# Altium PCB SI944D.PcbDoc (part 2 of 5) (continued)
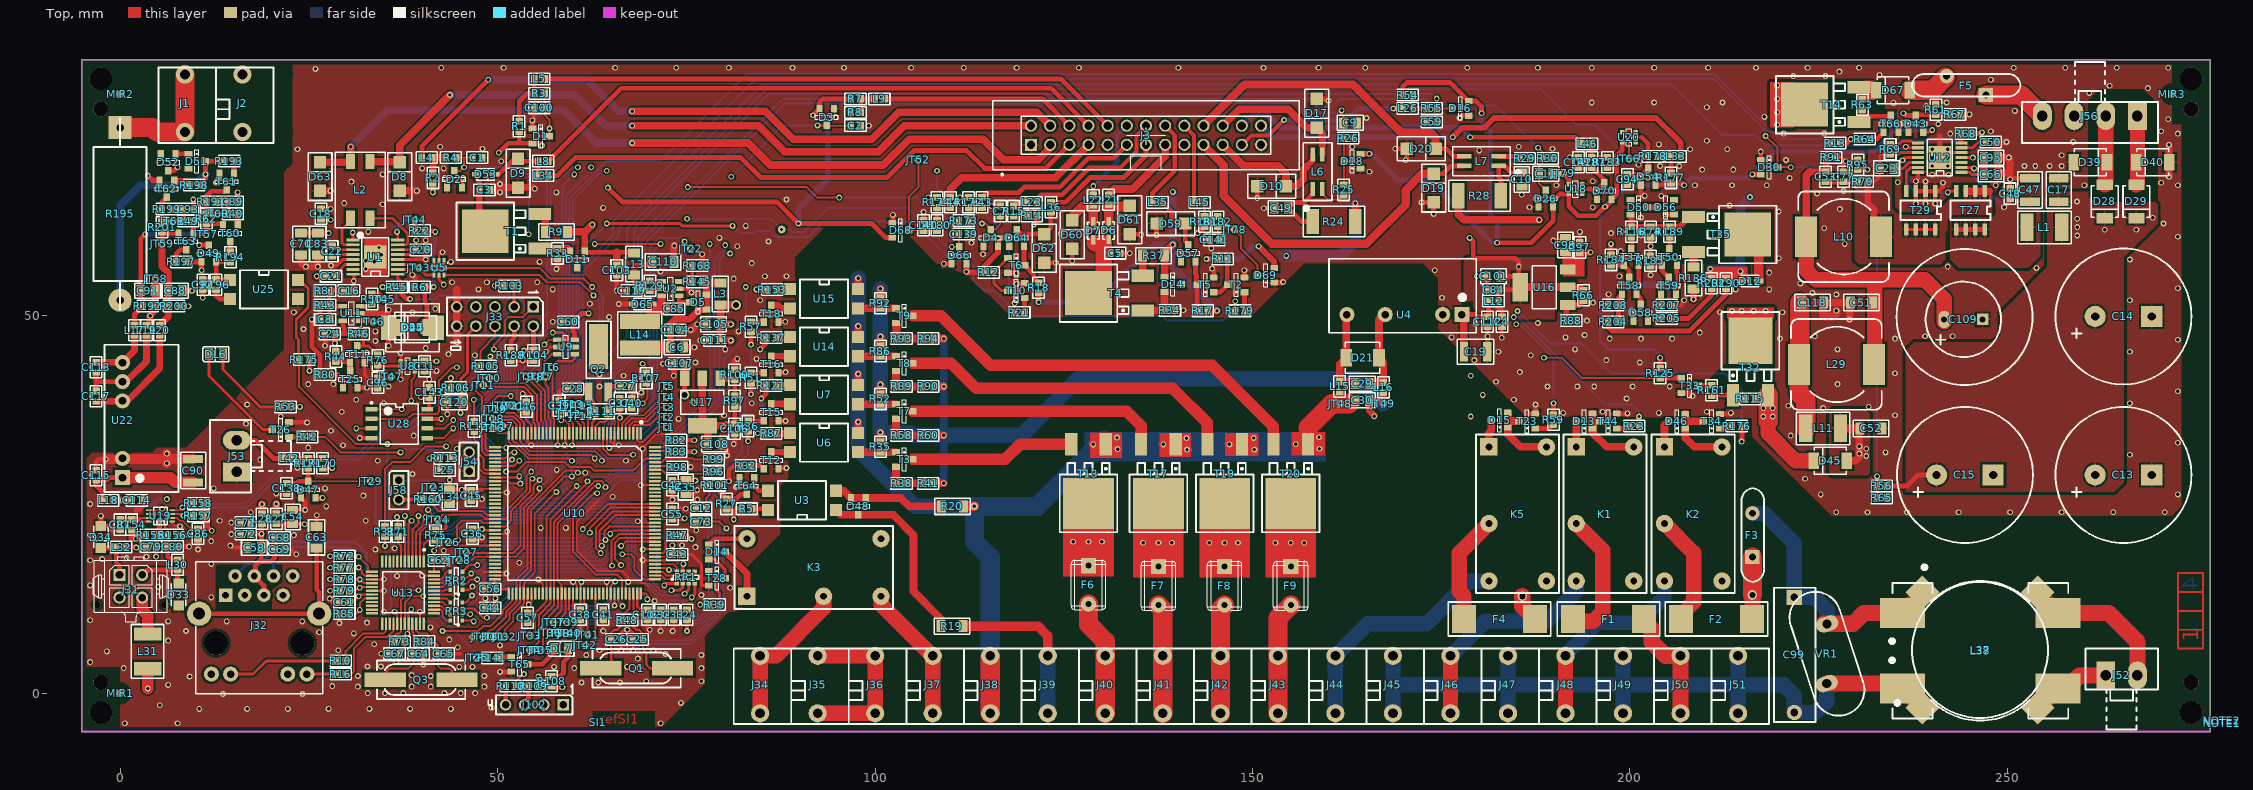
[diagram p0: Top view]
## Footprints (in the part's own frame and the unit in brackets; to place one, negate y for a bottom-side part, rotate by r counter-clockwise, add the part's x,y. Pads: shape width x height; smd on the part's side, far side on the other; paste and mask are expansions set on the pad) (continued)
  rect 3.7x2.5 hole 1.4: 1(-0.85,6.3)
  rrect100% 3.7x2.5 hole 1.4: 2(-0.85,2.1)
  oval 3.7x2.5 hole 1.4: 3(-0.85,-2.1) 4(-0.85,-6.3)
  silkscreen extent -8,-9 2.7,9, body extent -4.39,-9 2.51,9, height 12.82

## Part data
C1 C2 C3 C4 C5 C7 C18 C20 C21 C22 C24 C31 C32 C33 C36 C37 C38 C39 C40 C41 C42 C43 C44 C45 C46 C48 C50 C55 C56 C57 C59 C60 C61 C62 C67 C68 C69 C71 C72 C84 C86 C87 C97 C100 C103 C104 C106 C107 C111 C112 C113 C114 C115 C117 C119 C138 C139 C140 C141 C143: "Condensateur céramique, X7R, 10%, CMS 0603, 100nF/50V"
C6 C34 C35 C54 C58 C101 C105: "Condensateur céramique, X5R, 10%, CMS 0805, 10uF/16V"
C8 C92: "Condensateur, CMS 0603, NC"
C9 C10 C11 C23 C49: "Condensateur céramique, X7R, 10%, CMS 0805, 470nF/50V"
C12 C73 C85 C94 C102 C142: "Condensateur céramique, X7R, 10%, CMS 0603"
C13 C14 C15: "Condensateurs électrolytiques aluminium traversant 35volts 3900uF 105c 18x40 P7.5"
C16 C53 C77 C96: "Condensateur céramique, NPO, 5%, CMS 0603"
C17 C19 C47 C90: "Condensateur céramique, X5R, 10%, CMS 1210"
C25 C26 C27 C28 C64 C65 C79 C80: "Condensateur céramique, NPO, 5%, CMS 0603, 18pF/50V"
C29 C30 C66 C88 C91 C95 C98 C108 C120: "Condensateur céramique, X5R, 10%, CMS 0805"
C51 C52 C70 C83 C110 C118: "Condensateur céramique, X5R, 20%, CMS 1206, 22uF/25V"
C63: "Condensateur céramique, X7R, 10%, CMS 1206"
C89 C93: "Condensateur céramique, X7R, 10%, CMS 0603, 4,7nF/50V"
C99: "Condensateur polypropylene métallisé X2, 20%,100nF/275Vac,-40/+110°C, radial"
C109: "Condensateur Electro, ultra Low ESR (31mR@100kHz), +/-20%, 7000h, 1.9ARms, -40/+105°C"
D1 D2 D3 D4 D16 D18 D26 D30 D43 D47 D54 D66 D68 D69 D70: "Diode Schottky double, BAT54 en série, Vrrm=30V, If=200mA, Vf=0.4Vmax, CMS"
D5 D13 D14 D15 D46 D48 D56 D57 D64: "Diode Schottky double, BAT54 cathode com, Vrrm=30V, If=300mA, Vf=0.4Vmax, CMS"
D6 D7 D12 D53 D65: "Diode Schottky, Vrrm=20V, If=2A, Vf=0.45V, CMS"
D8 D9 D10 D17 D19 D20 D59 D60 D61 D62 D63: "Diode Transil/TVS unidirectionnelle (A), Transzorb, 400W, 16V, CMS"
D11 D24 D49 D50: "Diode de Redressement double, en série, Vrrm=100V, If=200mA, Vf=1V, rapide (trr=4ns), CMS"
D21: "Diode Transil/TVS bidirectionnelle (CA), 600W, 16V, CMS, serie SMBJ"
D27: "Diode Schottky, Vrrm=40V, If=1A, Vf=0.55V@1A, CMS"
D28 D29 D39 D40 D45 D67: "Diode Schottky, Vrrm=30V, If=5A(aver), Vf=0.315V, CMS"
D33 D34: "Diode Transil/TVS unidirectionnelle (A), 200W, 5V, CMS"
D44: "Diode Schottky, Vrrm=60V, If=3A, Vf=0.74V, -65 à +175°C, CMS"
D51 D52: "Diode Zener, série BZX84C, 0.3W, +/-5%, 4.7V, CMS"
D55: "Diode Schottky, Vrrm=30V, If=2A, Vf=0.5V, -65 à +125°C, CMS"
D58: "Diode Zener, série BZX84A, 0.3W, +/-5%, 6.2V, CMS"
DL6: "LED CMS 0805, Jaune, Vf 2V@20mA (36-100mCd), 590nm, vue 120°"
DL7: "LED CMS 0805, Vert, Vf 2.5V@20mA (4-15mCd), 525nm, vue 120°"
F1 F2 F4: "Fusible CMS, série UMT250, à souder sur CI, 250Vca/125Vdc, 0.315A, Temporisé"
F3: "Fusible Polyswitch série LVR, Vmax=265Vac, Ihold=0.25A, Itrip=0.56A, 1.5W"
F5: "Fusible Polyswitch, 30Vcc, Ihold=4A, Itrip=8A"
F6 F7 F8 F9: library part MF-RX012/250-0, "Resettable Fuses - PPTC 0.12A 60V 4ohm Hold .12 Trip .16"
J1 J34 J35 J36 J37 J38 J39 J40 J41 J42 J43 J44 J45 J46 J47 J48 J49 J50: "Bornier à connexion par ressorts/déconnexion par levier, série FFKDSA/V2, e7.62, 1x1pts, droit, juxtaposable, 500V/17.5A, AWG22~16, Vert/Orange"
J2 J51: "Bornier à connexion par ressorts/déconnexion par levier, série FFKDSA1/V2, e7.62, 1x1pts, droit, juxtaposable, 500V/17.5A, AWG22~16, Vert/Orange"
J3: library part "Header 13X2", "26 Positions Header, Shrouded Connector 0.100\" (2.54mm) Through Hole Gold"
J31: "Embase type Micro Mate-n-Lok, e3mm, 4pts, droit, cont. étamés 20mR, 250V/5A, Iso 1500V, -40/+105°C"
J32: "Embase RJ45 avec transformateur, 8/8 contacts + Led verte et jaune, blindée, droit, Viso 1.5kV"
J33: "Barrette, e2.54, mâle, 2x5 picots 0.635², droit, long. contact 6, isol. 2.6mm, doré"
J52 J53: "Connecteur Wurth, pas 4.2mm, 1x2 picots, 9A, 600V"
J54 J58: "Barrette, e2.54, mâle, 1x2 picots 0.635², droit, long. contact 6, isol. 2.6mm, doré"
J56: "Connecteur Wurth, pas 4.2mm, 1x4 picots, 8A"
J102: "Barrette, e2.54, mâle, 1x4 picots 0.635², droit, long. contact 6, isol. 2.6mm, doré"
JC2: "Cavalier (Jumper) doré 2 points pour barrette au pas de 2.54mm, BLEU, avec languette, Hauteur globale 14mm, 3A, 250V"
JT1 JT2 JT3 JT4 JT5 JT6 JT7 JT8 JT9 JT10 JT11 JT12 JT13 JT14 JT15 JT16 JT17 JT18 JT19 JT20 JT21 JT22 JT23 JT24 JT25 JT26 JT27 JT28 JT29 JT30 JT31 JT32 JT33 JT34 JT35 JT36 JT37 JT38 JT39 JT40 JT41 JT42 JT43 JT44 JT45 JT46 JT47 JT48 JT49 JT52 JT53 JT57 JT58 JT59 JT60 JT61 JT66 JT78 JT79: "Point de test sur CI, pad de diamètre 1.016mm (40mils)"
K1 K2 K3 K5: "Relais 1RT, 12Vdc, série 32.21, Rc=720R, Sw:250Vac/6A, Ron=? (AgCdO)"
L1 L11 L31: "Inductance à ferrite multicouches CMS, imp=100R@>100MHz, +/-25%, Rdc=6mR, I=8A"
L2: "Filtre double ferrite, 2x10uH, 42Vac/80Vdc, 1.6A, serie WE-SL2, -40/+125°C, CMS"
L3 L13: "Inductance à ferrite multicouches CMS, imp=600R@100MHz, +/-25%, Rdc=100mR, I=2A"
L4 L5 L8 L9 L12 L15 L16 L17 L18 L19 L20 L21 L22 L23 L24 L25 L26 L27 L28 L30 L32 L33 L34 L35 L36 L42 L43 L44 L45 L46: "Inductance à ferrite multicouches CMS, imp=700R@250MHz, +/-25%, Rdc=350mR, I=400mA"
L6 L7: "Filtre double ferrite, 2x22uH, 42Vac/80Vdc, 300mA, serie WE-SLM, -40/+125°C, CMS"
L10 L29: "Inductance bobinée CMS, 15uH +/- 20%, I=6.5A, Rdc=0.026R, SRF=17MHz, -40/+85°C"
L14: "Inductance bobinée CMS, 10uH +/- 10%, I=1.19A, Rdc=0.095R, SRF=40MHz, -40/+85°C"
L37: "Filtre double ferrite, 2x20mH, 250Vac, 1A, serie PM3700, -55/+125°C, CMS"
L38: "Filtre double ferrite, 2x10mH, 250Vac, 400mA, serie WE-LF-SH, -25/+125°C, CMS"
MIR1 MIR2 MIR3: "Mire pour machine de placement CMS \"Pick'n Place\""
NOTE1: "Coucher F5 pour limiter la hauteur"
NOTE2: "Incliner VR1 pour limiter la hauteur"
NOTE3: "Coucher F3 pour limiter la hauteur"
Q1 Q3: "Quartz CMS série HCM49 (équiv HC49/US), -10/+60°C, +/-30ppm, 18pF"
Q2: "Quartz CMS type Montre (cylindrique 2x6mm), -40/+85°C, +/-20ppm, 7pF, 32.768KHz"
R1 R2 R7 R14 R33 R34 R40 R49 R54 R170 R172 R174 R177 R181 R183: "Résistance, 0.100W, 1%, 100ppm, 75V, 2.2K"
R3 R4 R8 R11 R12 R13 R15 R17 R21 R23 R32 R36 R39 R51 R55 R57 R59 R71 R74 R101 R157 R158 R171 R173 R176 R178 R179 R180 R182 R187 R194 R197 R205: "Résistance, 0.100W, 1%, 100ppm, 75V, 4.7K"
R5 R38 R41 R44 R58 R60 R80 R88 R89 R90 R93 R94 R97 R155 R156 R160 R161 R175 R193 R198: "Résistance, 0.100W, 1%, 100ppm, 75V, 1K"
R6 R66: "Résistance, 0.100W, 1%, 100ppm, 75V, 115R"
R9: "Résistance, 0.25W, 1%, 200ppm, 200V, 3.3R"
R10 R16 R27 R53 R87 R108 R121 R137 R153: "Résistance, 0.100W, 1%, 100ppm, 75V, 680R"
R18 R35 R42 R45 R50 R52 R81 R82 R83 R86 R92 R96 R98 R99 R103 R104 R105 R106 R107 R113 R115 R129 R141 R188 R192 R200: "Résistance, 0.100W, 1%, 100ppm, 75V, 10K"
R19 R20: "Résistance, 0.25W, 1%, 100ppm, 200V, 220K"
R22 R204: "Résistance, 0.100W, 1%, 100ppm, 75V, 0R"
R24 R28: "Résistance, 1W, 5%, 200ppm, 500V, 200R"
R25 R26 R29 R30: "Résistance, 0.100W, 1%, 100ppm, 75V, 150R"
R31 R72 R76 R77 R78 R79 R191 R199: "Résistance, 0.100W, 1%, 100ppm, 75V, 51R"
R43: "Résistance, 0.100W, 1%, 100ppm, 75V, 33K"
R46: "Résistance, 0.100W, 1%, 100ppm, 75V, 7.5K"
R47 R75 R112: "Résistance, 0.100W, 1%, 100ppm, 75V, 22R"
R48 R84: "Résistance, 0.100W, 1%, 100ppm, 75V, 1M"
R56 R61 R190 R207 R208: "Résistance, 0.100W, 1%, 100ppm, 75V, 68K"
R62 R63 R64 R116 R125 R145 R201: "Résistance, 0.100W, 1%, 100ppm, 75V, 47K"
R65 R67 R168: "Résistance, 0.100W, 1%, 100ppm, 75V, 9.1K"
R68: "Résistance, 0.100W, 1%, 100ppm, 75V, 604K"
R69: "Résistance, 0.100W, 1%, 100ppm, 75V, 1.15K"
R70: "Résistance, 0.100W, 1%, 100ppm, 75V, 2.49M"
R73: "Résistance, 0.100W, 1%, 100ppm, 75V, 1.5K"
R85: "Résistance, 0.100W, 1%, 100ppm, 75V, 4.87K"
R91: "Résistance, 0.100W, 1%, 100ppm, 75V, 237K"
R95: "Résistance, 0.100W, 1%, 100ppm, 75V, 9.76K"
R100: "Résistance, 0.100W, 1%, 100ppm, 75V, 1.69K"
R109 R110: "Résistance, 0.100W, 1%, 100ppm, 75V, 68R"
R111: "Résistance, 0.125W, 5%, 300ppm, 150V, 18M"
R154: "Résistance, 0.100W, 1%, 100ppm, 75V, 200K"
R184 R185: "Résistance, 0.100W, 1%, 100ppm, 75V, 100K"
R186: "Résistance, 0.25W, 1%, 100ppm, 200V, 2.7R"
R189: "Résistance, 0.100W, 1%, 100ppm, 75V, 12K"
R195: "Résistance Metal Oxide MOS3, 3W, 5%, 300ppm, 700V, 22K"
R196: "Résistance, 0.100W, NC"
R202: "Résistance, 0.100W, 1%, 100ppm, 75V, 56K"
RR1 RR2 RR3: "Réseau de 4 résistances 0603 individuels, 63mW, 5%, CONCAVE / CONVEXE, CMS 1206"
SI1: library part CIRCUIT_IMPRIME_MODEL, "Circuit Imprimé Seccom"
T1 T4 T35: "Transistor PNP, Vce=50V, Ic=3A, 15W, hfe=40~240, -65/+150°C, CMS"
T2 T3 T5 T6 T7 T8 T9 T10 T11 T12 T15 T16 T18 T23 T25 T26 T28 T33 T34 T44 T61 T63 T64 T65 T66: "Transistor NPN, Vce=50V, Ic=0.1A, hfe=420~800, 0.25W, CMS"
T13 T17 T19 T20: library part T405-600B-TR, "TRIAC SENS GATE 600V 4A DPAK"
T14 T32: "Transistor Mosfet P, Vdss=60V, Id=12A, Rdson=0.155R, -55/+175°C, CMS"
T27 T29: "Transistor MOSN logique, Vdss=30V, Id=12A, Rdson=0.012R, CMS"
T37 T50 T58 T59: "Transistor NPN, Vce=160V, Ic=60mA, 0.225W, hfe=30~250, -55/+150°C, CMS"
T60 T62: "Transistor PNP, Vce=45V, Ic=0.1A, hfe=420~800, 0.3W, CMS"
U1: "Brushed DC Motor Driver with Current Sense, 2.8A, CMS"
U2: "Régulateur ajustable step down, 0.8~20V, 1A, Vin=3~20V, -40/+125°C, CMS"
U3 U6 U7 U14 U15 U25: "Optocouleur simple, IR GaAs, Viso=5kVrms, If=50mA, Vce=70V, Ic=50mA, CTR=130-260, CMS"
U4: "Convertisseur DC/DC, 1W, Vin=12V, Vout=+12V/84mA, boitier SIP4, isol 6.4kV"
U5: "Porte logique multifonction, AND/OR/NAND/NOR/XNOR/INV/BUFFER, LVC, CMS SC70_6"
U8: "Buffer driver de ligne non-inverseur simple, 3 états, CMOS, Picogate, CMS"
U9: "EEPROM, avec identifiant EUI-48 (adresse MAC), 2kbits, Vs=1.8~5.5V, 10MHz, CMS"
U10: "Microcontrôleur 32bit, COLDFIRE, 80Mhz, 512Ko Flash, 64Ko RAM, CMS"
U11: "Comparateur de tension, simple, Vs=+1.8~5.5V, CMOS, I/O Rail-to-Rail, CMS"
U12: library part LM3150MH, "Syncronous Buck Controller,  Vin=6~42V, -40/+125°C, CMS"
U13: "DP83640 Precision PHYTER - IEEE 1588 Precision Time Protocol Transceiver"
U16 U17: "Régulateur de tension ajustable positif, 1.25~15V, 0.8A, LDO (1V), Vin=15Vmax, CMS"
U18 U20: library part 74LVC1G17GW,125, "IC BUFFER SCHMIT TRIG SOT23-5"
U19: "DUAL BIDIRECTIONAL I2C BUS AND SMBus  VOLTAGE-LEVEL TRANSLATOR ,1.2V à 5V, CMS"
U22: "Convertisseur DC/DC, 1W, Vin=12V, +Vout=+12V/0.42A, -Vout=-12V/0.42A, boitier SIP7, Viso=6.4kV/1s"
U28: "Mémoire Flash SPI, 2MBit, 50MHz, Vs=2.7~3.6V, -40/+85°C, CMS"
VR1: "Varistance disque 300Vac, 46J, Vbreak=420V@1mA, Vclamp=775V@50A, Ipeak=4500A"

## Free pads (board coordinates)
  round 3 hole 3 unplated: 0(-2.54,-2.54) 0(-2.54,81.38) 0(274.32,-2.54) 0(274.32,81.38)
  round 2 hole 2 unplated: 0(-2.54,1.46) 0(-2.54,77.38) 0(274.32,1.46) 0(274.32,77.38)

## Via types
v1: diameter 0.77, hole 0.45, Top to Bottom, 900 vias
v2: diameter 1.27, hole 0.8, Top to Bottom, 4 vias
v3: diameter 1.016, hole 0.45, Top to Bottom, 1 vias

## Nets (pads, with @x,y where several pads share a name; then routed paths per layer and width w, separated by ;. In a path a pad name is that pad's centre, name@x,y a point inside that pad or via, vN(x,y) a via of type N, cw(c..) or ccw(c..) an arc to the next point about the centre after c; other vN are vias at no path point)
+3V3S: C20.1 C24.1 C31.1 C60.1 C86.1 C106.1 C108.2 C143.1 D1.2 D2.2 D3.2 D4.2 D16.2 D18.2 D26.2 D30.2 D43.2 D47.2 D54.2 D66.2 D68.2 D69.2 D70.2 J33.7 L24.1 L25.1 L27.1 L28.1 R1.1 R2.1 R5.2 R7.1 R11.2 R12.2 R14.1 R27.2 R44.2 R45.2 R46.2 R54.1 R82.2 R83.2 R97.2 R103.2 R104.2 R105.2 R106.2 R107.2 R113.2 R125.2 R157.2 R158.2 R170.1 R172.1 R174.1 R175.2 R177.1 R181.1 R183.1 R188.2 U1.5 U1.6 U5.5 U8.5 U9.6 U11.5 U17.2 U17.4 U18.5 U19.2 U20.5 U28.3 U28.7 U28.8 | length 516.6
  Top w0.254: U19.2@6.884,23.245 7.489,23.245 7.874,22.86 8.299,22.86 9.375,21.784 C86.1@10.319,21.784 ; v1(31.274,35.084) U28.3@33.289,35.084 ; v1(69.215,43.656) 69.691,43.18 R107.2@69.691,42.422
  Top w0.305: v1(49.054,44.609) 49.089,44.573 R105.2@49.089,43.339
  Top w0.381: U1.5@36.784,58.11 38.743,58.11 39.176,58.543 C20.1@39.176,58.737 C20.1@39.198,58.76 ; U1.6@36.784,58.76 C20.1@39.198,58.76 ; v1(39.211,60.008) 39.211,58.773 C20.1@39.198,58.76 ; v1(39.846,39.211) 39.882,39.176 C143.1@40.957,39.176 ; v1(40.957,31.115) R113.2@42.351,31.115 L25.1@42.351,29.527 L25.1@42.351,29.369 ; U5.5@42.227,55.406 42.227,54.769 v1(42.862,54.134) ; v1(49.618,53.975) R103.2@50.852,53.975 ; D43.2@238.846,74.338 239.755,74.338 v1(240.03,74.612)
  Top w0.508: U8.5@39,43.989 40.272,43.989 40.287,43.974 v1(41.91,43.974) ; U28.7@40.689,36.354 v1(42.545,36.354) ; U28.8@40.957,37.624 C143.1@40.957,39.176 ; R106.2@43.779,40.481 43.779,41.716 v1(43.815,41.751) ; v1(75.089,8.255) L24.1@75.089,9.743 ; v1(107.061,65.695) R174.1@108.204,65.695 ; v1(111.252,65.695) R172.1@112.395,65.695
  Top w0.635: C86.1@10.319,21.784 11.557,21.784 ; R158.2@11.049,25.146 R157.2@11.049,23.495 11.049,23.146 11.509,22.685 11.557,22.733 11.557,21.784 ; v1(12.128,21.526) 11.871,21.784 11.557,21.784 ; R175.2@25.055,44.196 25.055,42.732 v1(25.082,42.704) ; D47.2@25.899,25.887 v1(26.818,25.887) ; R170.1@26.829,29.809 26.864,29.845 v1(28.099,29.845) ; R44.2@28.575,45.279 28.575,46.232 v1(28.452,46.355) C24.1@28.452,47.625 29.686,47.625 ; U11.5@29.489,49.374 29.489,48.696 29.686,48.498 29.686,47.625 ; R46.2@30.921,47.625 29.686,47.625 ; v1(34.766,53.816) R45.2@36.001,53.816 ; v1(41.434,66.358) R2.1@41.434,67.592 ; D2.2@45.266,67.004 45.266,68.126 v1(45.402,68.263) ; v1(50.165,71.596) 51.435,72.866 52.864,72.866 ; R188.2@51.752,44.097 v1(53.34,44.097) R104.2@54.769,44.097 ; R1.1@52.864,74.418 52.864,72.866 ; v1(55.88,72.549) 55.585,72.844 D1.2@54.621,72.844 54.599,72.866 52.864,72.866 ; U9.6@60.205,46.99 60.205,47.745 60.008,47.942 60.008,49.177 C60.1@60.043,49.212 61.154,50.324 v1(62.071,50.324) ; v1(64.611,66.992) 66.516,65.087 86.995,65.087 v1(89.852,62.23) 99.568,62.23 101.432,60.366 D68.2@102.278,60.366 D68.2@102.319,60.325 ; R83.2@74.331,32.004 v1(76.073,32.004) ; R82.2@74.331,33.528 v1(76.073,33.528) ; U17.4@77.128,35.419 U17.4@77.851,34.697 ; 80.173,35.723 C106.1@81.407,35.723 R97.2@81.407,38.064 ; v1(81.28,23.019) 81.28,24.253 81.439,24.412 R27.2@80.328,24.412 80.363,24.447 R5.2@82.356,24.447 ; v1(91.778,76.581) D3.2@92.624,77.427 92.624,78.273 93.091,78.74 R7.1@96.738,78.74 ; v1(143.891,57.531) R11.2@145.379,57.531 ; R54.1@169.89,79.248 169.89,80.355 170.434,80.899 176.192,80.899 D16.2@178.646,78.445 179.619,78.445 180.34,77.724 v1(180.34,76.835) ; v1@182.426,59.69 186.944,59.69 189.824,62.57 D26.2@189.824,64.432 189.865,64.473 189.865,65.278 190.739,66.152 U18.5@191.886,66.152 191.886,64.527 193.167,63.246 195.485,63.246 v1(196.691,64.453) 196.755,64.389 197.571,65.205 D70.2@197.571,65.448 198.247,66.124 198.247,69.723 ; R183.1@197.009,69.656 198.18,69.656 198.247,69.723 ; U20.5@198.966,73.01 198.966,71.966 198.247,71.247 198.247,69.723 ; D54.2@203.381,67.321 204.164,67.321 204.434,67.592 R177.1@205.422,67.592 206.887,67.592 v1(207.169,67.31) ; v1@216.24,68.716 D30.2@217.34,68.716
  Top w0.762: D66.2@112.1,56.939 v1(112.1,55.839) 112.186,55.753 R12.2@114.391,55.753 114.391,56.479 116.291,58.379 D4.2@116.291,59.225 v1(116.291,60.284) ; v1(121.031,62.103) 121.448,62.52 R14.1@121.448,63.246 ; v1(142.748,60.96) 143.601,61.813 R181.1@143.637,61.813 ; v1(150.812,59.214) 152.865,57.161 D69.2@152.865,56.347 ; D18.2@164.295,71.46 v1(165.481,71.46) ; R125.2@203.994,43.057 v1(203.994,44.45)
  Top w1.016: L28.1@18.796,23.785 v1(18.796,25.044) ; L27.1@20.701,23.785 v1(20.701,25.07) ; U17.2@77.128,41.718 U17.4@77.153,35.56 ; C108.2@77.851,33.299 U17.4@77.851,34.697 ; U17.4@78.726,35.419 v1@79.869,35.419
  MidLayer2 w0.635: v1(18.796,25.044) 23.106,25.044 23.949,25.887 v1(26.818,25.887) ; v1(41.434,66.358) 43.497,66.358 v1(45.402,68.263) 46.831,68.263 v1(50.165,71.596) ; v1(55.88,72.549) 55.88,70.961 59.849,66.992 v1(64.611,66.992)
  MidLayer2 w0.762: v1(79.851,35.401) 80.645,34.608 81.597,34.608 83.502,36.512 86.042,36.512 86.677,37.148 86.677,58.737 89.852,61.912 v1(89.852,62.23) 92.138,64.516 97.754,64.516 98.933,65.695 v1(107.061,65.695) v1(111.252,65.695) 112.359,65.695 116.291,61.763 v1(116.291,60.284) 119.212,60.284 v1(121.031,62.103) 141.605,62.103 v1(142.748,60.96) 146.177,60.96 147.923,59.214 v1(150.812,59.214) 151.543,59.944 176.276,59.944 177.006,59.214 180.462,59.214 180.938,59.69 v1(182.404,59.69)
  Bottom w0.381: v1(196.691,64.453) 196.056,63.817 196.056,46.672 197.167,45.561 203.2,45.561 203.994,44.767 v1(203.994,44.45)
  Bottom w0.508: v1(216.218,68.739) 219.234,71.755 232.251,71.755 235.109,74.612 v1(240.03,74.612)
  Bottom w0.635: v1(180.34,76.835) 180.34,75.692 181.483,74.549 181.483,63.373 182.404,62.452 v1(182.404,59.69) 181.737,59.69 180.467,60.96 ; v1(196.691,64.453) 199.549,67.31 v1(207.169,67.31) 208.121,68.263 215.741,68.263 v1(216.218,68.739)
  Bottom w0.762: v1(89.852,62.23) 89.852,64.198 93.726,68.072 93.726,75.692 92.837,76.581 v1(91.778,76.581) ; v1(143.891,57.531) 148.336,57.531 150.019,59.214 v1(150.812,59.214) ; v1(165.481,71.46) 165.776,71.46 169.291,67.945 173.482,67.945 180.467,60.96
+5VS: C105.2 C107.1 C111.1 L3.2 R53.2 R87.1 R108.2 R121.1 R137.1 R153.1 R154.2 R155.2 R156.2 U17.3 | length 196.2
  Top w0.635: R156.2@7.656,20.955 v1(9.017,20.955) ; R53.2@22.578,37.941 v1(23.812,37.941) ; R108.2@57.15,0.917 57.273,0.794 v1(58.579,0.794) ; C107.1@74.712,43.688 74.778,43.621 U17.3@74.778,41.718 74.778,39.536 v2(74.771,39.529) ; v1(84.455,34.449) 85.531,34.449 R87.1@85.562,34.417 ; v1(84.772,45.561) 85.562,46.351 R137.1@85.562,47.117 ; v1(84.931,39.052) 85.562,39.684 R121.1@85.562,40.767
  Top w0.889: R154.2@1.524,21.681 1.524,20.955 ; v1@2.197,20.549 1.549,20.549 1.524,20.574 1.524,20.955 ; R155.2@3.302,20.955 1.524,20.955 ; v1(84.296,53.499) 85.658,53.499 R153.1@85.689,53.467
  Top w1.016: C105.2@79.502,48.743 79.502,46.736 v1(80.899,46.736) ; v1(80.899,48.895) C105.2@79.527,48.895 79.527,51.431 L3.2@79.502,51.456 81.576,51.456 v2(81.597,51.435)
  MidLayer2 w0.635: v1(2.064,20.479) 2.064,20.415 8.477,20.415 v1(9.017,20.955) 9.017,21.876 11.906,24.765 16.669,24.765 23.812,31.909 v1(23.812,37.941) 23.812,44.45 36.83,57.468 36.83,59.69 38.576,61.436 39.37,61.436 40.64,62.706 55.88,62.706 62.389,56.197 ; 7.62,20.32 7.62,2.222 10.795,-0.953 48.45,-0.953 50.197,0.794 v1(58.579,0.794) ; 83.185,55.88 84.296,54.769 v1(84.296,53.499)
  Bottom w0.635: v1(84.455,34.449) 84.455,36.036 84.931,36.512 v1(84.931,39.052)
+12VISOFP: C30.2 J38.1 J38.2 JT48.1 L15.2 R20.1 T13.A1 T17.A1 T19.A1 T20.A1 U6.4 U7.4 U14.4 U15.4 | length 233.1
  Top w1.016: U6.4@97.754,34.482 v1(97.754,35.941) ; U7.4@97.754,40.832 v1(97.754,42.291) ; U14.4@97.754,47.182 v1(97.754,48.641) ; U15.4@97.754,53.532 v1(97.754,54.991)
  Top w1.27: R20.1@111.76,24.765 v3(113.157,24.765) ; v1(128.905,32.972) T13.A1@130.532,32.972 ; T13.A1@130.925,33.875 v1(132.05,33.875) ; T13.A1@131.18,33.62 T13.A1@130.532,32.972 ; v1(132.125,32.35) 131.202,32.35 T13.A1@130.556,32.996 T13.A1@130.532,32.972 ; v1(138.176,32.972) T17.A1@139.803,32.972 ; T17.A1@139.732,32.897 T17.A1@140.38,33.545 ; T17.A1@139.756,32.921 140.402,32.275 v1(141.325,32.275) ; T17.A1@140.125,33.8 v1(141.25,33.8) ; v1(146.939,32.972) T19.A1@148.566,32.972 ; T19.A1@148.657,32.922 T19.A1@149.305,33.57 ; T19.A1@148.681,32.946 149.327,32.3 v1(150.25,32.3) ; T19.A1@149.05,33.825 v1(150.175,33.825) ; v1(155.726,32.996) T20.A1@157.353,32.996 ; T20.A1@157.282,33.022 T20.A1@157.93,33.67 ; T20.A1@157.306,33.046 157.952,32.4 v1(158.875,32.4) ; T20.A1@157.675,33.925 v1(158.8,33.925) ; 162.587,38.862 163.551,38.862 C30.2@163.614,38.798
  Top w2.54: J38.1@115.26,-2.65 J38.2@115.26,4.77 ; 157.353,35.179 160.528,38.354 162.8,38.354
  MidLayer1 w2.54: J38.1@115.26,-2.65 J38.2@115.26,4.77 ; J38.2@115.26,4.97 115.26,18.034 113.157,20.137 v3(113.157,24.765) 121.539,24.765 130.57,33.796
  MidLayer2 w2.54: J38.1@115.26,-2.65 J38.2@115.26,4.77 ; J38.2@115.26,4.97 115.26,18.034 113.157,20.137 v3(113.157,24.765) 121.539,24.765 130.57,33.796
  Bottom w2.032: v1(97.754,54.991) v1(97.754,48.641) v1(97.754,42.291) v1(97.754,35.941) 97.754,32.294 105.283,24.765 v3(113.157,24.765)
  Bottom w2.54: J38.1@115.26,-2.65 J38.2@115.26,4.77 ; J38.2@115.26,4.97 115.26,18.034 113.157,20.137 v3(113.157,24.765) 121.49,24.765 130.267,33.542
+12VISOTI: C91.2 JT57.1 L17.2 R62.2 R192.2 T60.2 | length 24.4
  Top w0.635: L17.2@1.905,48.772 1.905,50.201 R192.2@2.981,51.276 2.981,52.144 2.737,52.387 C91.2@2.737,53.34 2.737,60.204 v1(3.334,60.801) ; JT57.1@11.43,60.801 R62.2@11.43,62.194 T60.2@13.496,62.194
  Bottom w0.635: v1(3.334,60.801) JT57.1@11.43,60.801
+12VSP: C4.1 C84.1 C101.2 C114.1 L12.1 L18.1 R66.2 U16.2 U16.4 | length 245.5
  Top w0.635: C114.1@1.429,25.559 C114.1@1.552,25.559 ; v1(178.752,60.325) 179.229,59.849 179.229,57.626 184.785,57.626 185.261,57.15 v1(185.261,56.515) U16.4@185.261,55.245 ; C101.2@182.841,55.245 U16.4@185.261,55.245 ; C4.1@183.039,49.883 183.039,50.641 182.598,51.082 L12.1@182.598,51.943 C84.1@182.598,53.467 U16.4@185.153,53.467 ; U16.4@185.471,53.785 U16.4@185.382,53.696 ; U16.4@185.153,53.467 U16.4@185.382,53.696 ; U16.4@185.153,53.467 185.229,53.467 185.42,53.657 U16.4@185.382,53.696 ; U16.4@185.261,55.245 185.261,53.816 U16.4@185.382,53.696
  Top w0.762: U16.2@191.49,53.741 U16.2@191.77,53.741 ; U16.2@191.77,53.785 193.424,53.785 R66.2@193.834,53.376
  Top w1.016: L18.1@-0.917,25.559 v1(0.318,25.559) C114.1@1.429,25.559 ; U16.4@185.261,53.816 191.415,53.816 U16.2@191.49,53.741
  MidLayer2 w0.635: v1(6.191,25.717) 16.192,25.717 22.86,32.385 22.86,44.926 35.719,57.785 35.719,62.071 37.401,63.754 56.261,63.754 59.08,60.935 77.762,60.935 85.026,68.199 118.364,68.199 122.428,64.135 149.225,64.135 151.765,61.595 177.482,61.595 v1(178.752,60.325)
  Bottom w0.635: v1(0.318,25.559) 0.953,24.924 4.286,24.924 5.08,25.717 v1(6.191,25.717)
+15V: C52.2 D45.A D56.1 L11.2 R74.2 R184.2 R185.2 R186.2 | length 14.6
  Top w0.635: R184.2@197.485,58.075 v1(197.485,59.531) ; R185.2@202.692,57.948 202.692,59.182 v1(202.724,59.214) R74.2@202.724,60.448 ; v1(204.702,63.414) D56.1@205.824,63.414
  Top w0.889: v1(208.407,52.197) R186.2@208.407,53.541
  Top w1.016: L11.2@227.884,35.084 230.384,35.084 v1(230.384,32.703) v1(230.384,31.75) 230.384,31.311 229.87,30.797 D45.A@228.733,30.797
  other v1: 231.299,31.432 231.299,32.385
+15VS: C18.1 C21.1 C70.2 C83.2 C103.1 D11.1 D24.1 D45.K L13.1 R9.1 R17.2 R18.2 R37.1 R115.2 T14.2 T32.3 U1.9 | length 80.8
  Top w0.381: v1(30.81,61.036) 30.844,61.003 U1.9@30.844,60.06
  Top w0.635: C70.2@23.495,60.981 C70.2@23.971,60.981 C83.2@26.194,60.981 27.601,60.981 v1(27.622,60.96) ; C18.1@26.607,62.829 27.785,62.829 v1(27.877,62.738) ; D11.1@61.554,58.568 61.701,58.42 65.786,58.42 67.945,58.42 L13.1@68.072,58.293
  Top w0.762: v1(121.666,51.816) R18.2@121.666,53.05
  Top w0.889: v1(26.035,55.245) C21.1@27.269,55.245 ; D11.1@61.554,58.568 61.554,61.078 61.595,61.119
  Top w1: D24.1@138.356,55.301 R37.1@138.356,57.968 138.356,58.346 v1(139.446,59.436) ; R17.2@144.272,50.673 v1(145.288,50.673)
  Top w1.016: R9.1@59.235,61.119 61.595,61.119 v1(62.547,62.071) ; C103.1@65.786,56.713 65.786,58.42
  Top w2.032: 218.281,36.036 218.281,34.449 221.933,30.797 D45.K@224.339,30.797
  Top w2.54: 218.313,36.036 T32.3@218.313,39.497
  Bottom w0.762: v1(121.666,51.816) 129.357,51.816 136.977,59.436 v1(139.446,59.436)
  Bottom w1: v1(139.446,66.421) v1(139.446,59.436) 139.446,56.515 v1(145.288,50.673)
  other v1: 217.646,36.671 218.916,36.671 217.646,37.782 218.916,37.782 219.488,75.311 219.488,76.962 219.488,78.74 219.488,80.518
+15VSP: C97.1 C98.2 D13.3 D14.3 D15.3 D46.3 K1.A1 K2.A1 K3.A1 K5.A1 L31.2 R24.1 R28.1 T32.2 U16.3 | length 303.8
  Top w0.762: U16.3@191.77,56.135 191.452,56.453 C98.2@191.452,58.458 191.526,58.384 C97.1@193.357,58.384 194.751,58.384 v1(194.786,58.42)
  Top w0.889: D14.3@80.158,18.732 83.026,15.864 K3.A1@83.026,12.859
  Top w1.016: R24.1@163.604,62.484 v1(163.604,64.897) ; R28.1@177.264,65.913 177.292,65.885 177.292,63.373 177.959,62.706 v1(187.96,62.706) ; K5.A1@181.308,32.639 181.308,34.464 181.621,34.777 D15.3@181.621,36.195 ; D13.3@192.829,36.068 192.873,36.024 K1.A1@192.873,32.639 ; K2.A1@204.565,32.639 204.565,35.485 D46.3@205.116,36.036
  Top w1.524: v1(3.651,0.635) L31.2@3.651,3.256
  MidLayer2 w1.27: v1(3.651,0.635) 4.921,0.635 8.89,-3.334 66.834,-3.334 K3.A1@83.026,12.859
  MidLayer2 w1.524: K3.A1@83.026,12.859 83.026,17.304 85.407,19.685 85.407,30.48 89.694,34.766 89.694,59.055 92.551,61.912 112.585,61.912 116.872,57.626 120.491,57.626 121.539,58.674 127.73,58.674 130.016,56.388 141.478,56.388 143.891,53.975 150.495,53.975 v1(154.464,57.944) 174.18,57.944 174.498,57.626 183.674,57.626 184.467,58.42 187.96,58.42 v1(187.96,62.706)
  Bottom w1.524: v1(154.464,57.944) 161.703,57.944 163.604,59.845 v1(163.604,64.897)
  other v1: 213.519,50.641 214.789,50.641 216.376,50.641 217.964,50.641
+24V: C13.2 C14.2 C15.2 C17.2 D28.K D29.K L1.1 R56.2 | length 7.2
  Top w0.635: R56.2@234.033,27.464 236.696,27.464 238.153,28.92 C15.2@240.61,28.92
  other v1: 259.239,60.642 262.89,61.404 267.081,61.404 259.239,61.754 259.239,62.865 269.24,62.992 259.207,65.151
-12VISOTI: C88.1 JT59.1 L20.2 R200.1 R201.1 T63.2 | length 15.5
  Top w0.635: JT59.1@5.556,59.531 R201.1@5.556,61.083 5.691,60.949 T63.2@7.756,60.949 T63.2@7.756,61.108
  Top w0.889: L20.2@5.239,48.772 6.388,49.921 C88.1@6.388,53.34 6.388,55.683 5.556,56.515 JT59.1@5.556,59.531
ALIM_DETECT_PRESENCE_1: J3.8 L8.2 | length 77.6
  Top w0.635: L8.2@56.709,70.485 66.361,80.137 123.323,80.137 J3.8@128.27,75.19
ALIM_DETECT_PRESENCE_2: J3.5 L34.2 | length 74.9
  Top w0.635: L34.2@56.709,68.58 57.912,68.58 60.325,70.993 82.169,70.993 84.836,68.326 101.6,68.326 105.156,71.882 112.141,71.882 114.503,69.52 122.6,69.52 J3.5@125.73,72.65